# Altium PCB PCB4.PcbDoc
Units mm, origin at the board's own origin, x right, y up, seen from the top; angles counter-clockwise.
Board outline 118.86 x 69.33 mm, 2 copper layers (Top Layer, Bottom Layer); 68 components, 53 nets, 298 pads, 79 vias.
Unrouted connection lines stored in the file: 1.
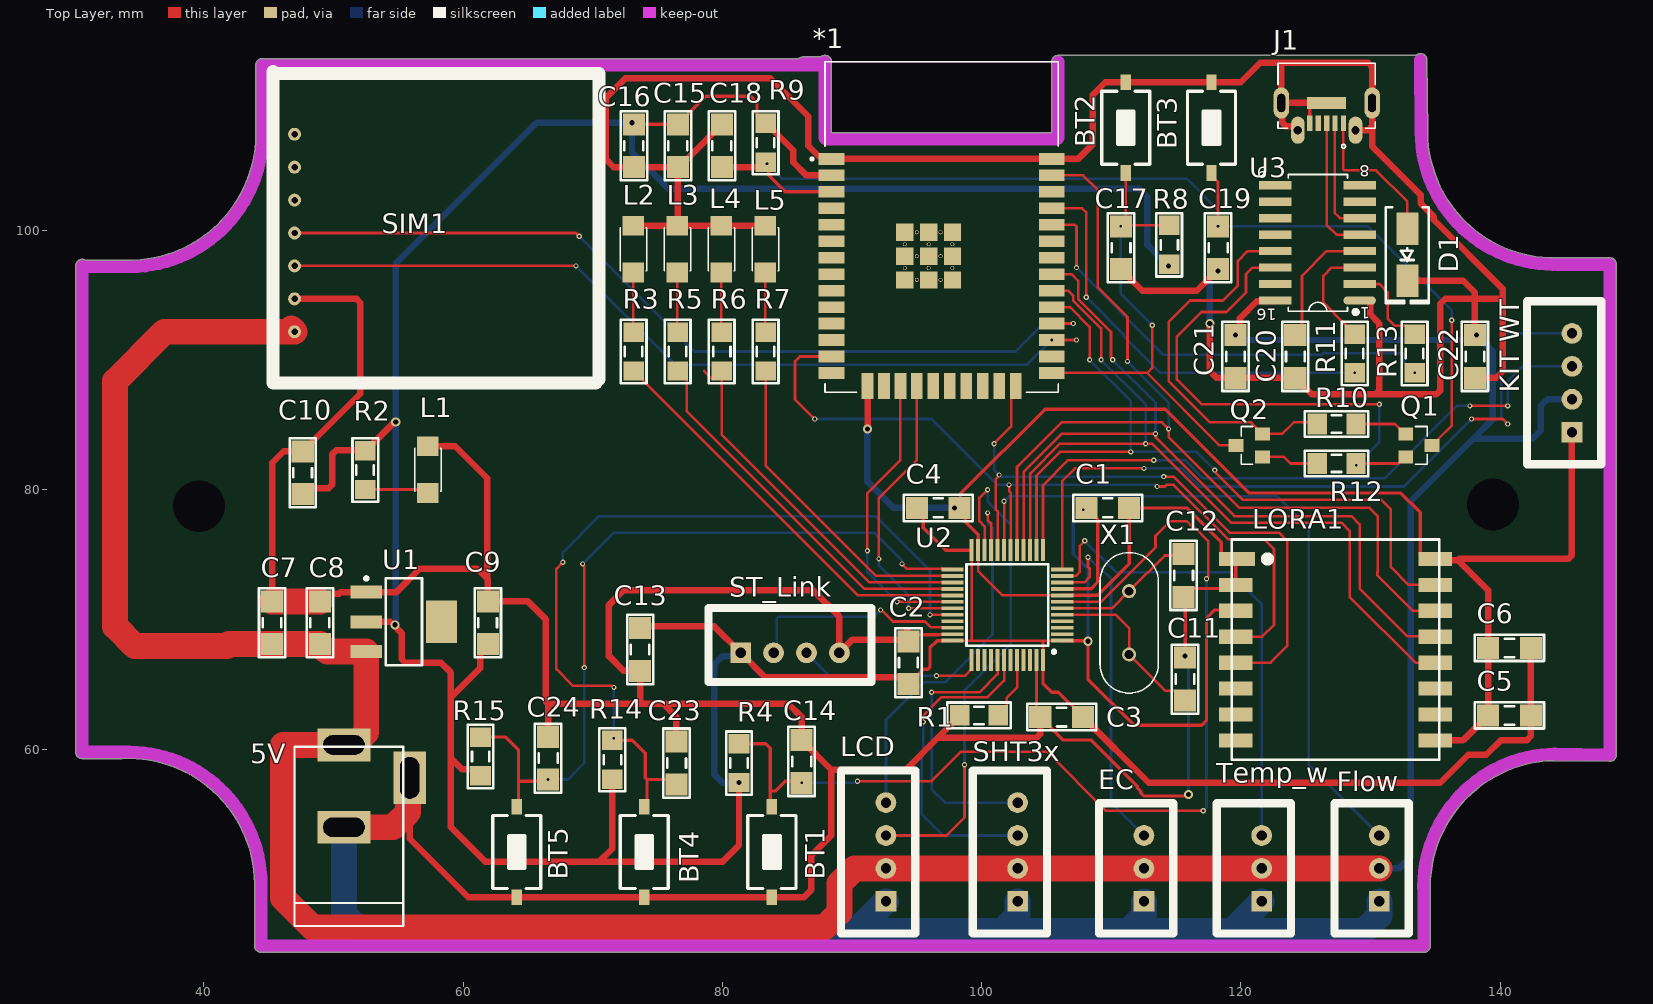
[diagram p0: Top Layer view]
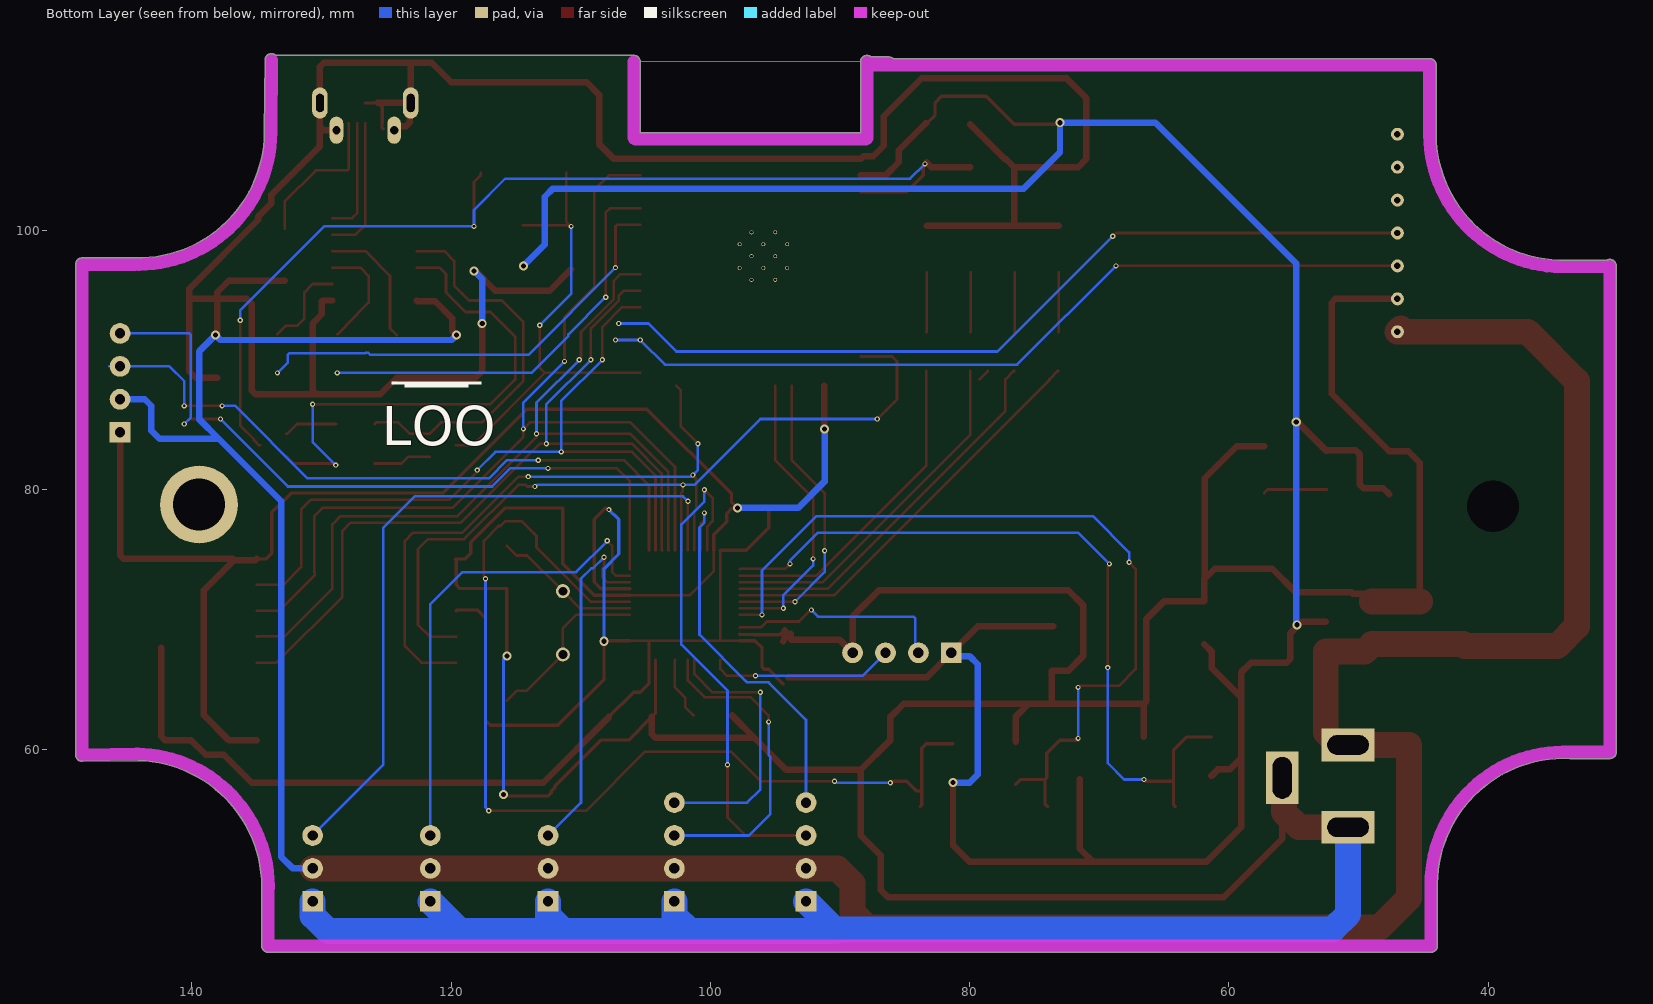
[diagram p1: Bottom Layer view, seen from below]
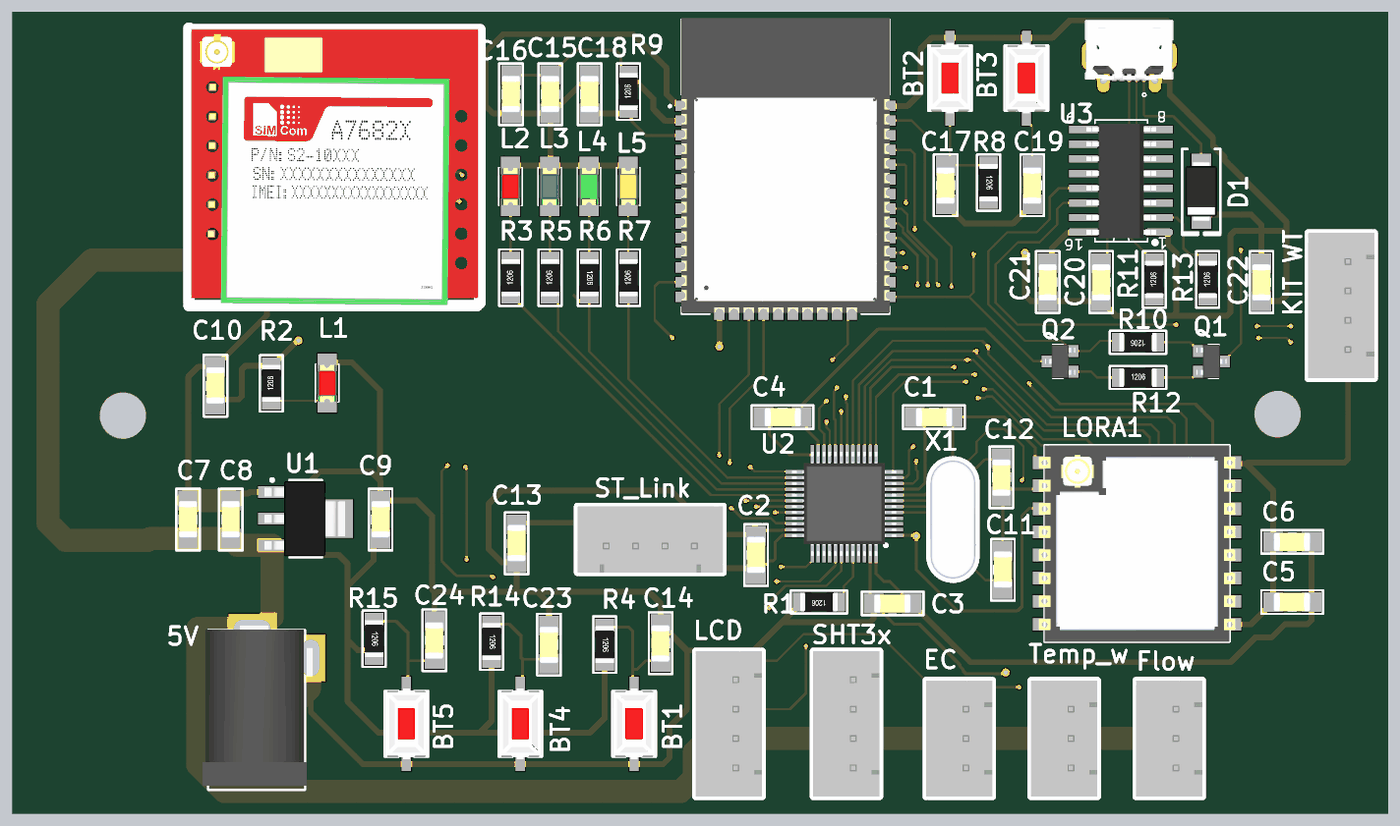
[diagram p2: 3D render of the assembled board from above, using the file's embedded part models]

## Layer stack, top to bottom
Top Solder: solder mask 0.0102, Solder Resist, Dk 3.5
Top Layer: signal copper 0.0356
Dielectric 1: dielectric 0.32, FR-4, Dk 4.8
Bottom Layer: signal copper 0.0356
Bottom Solder: solder mask 0.0102, Solder Resist, Dk 3.5

## Board outline
30.607,59.277 cw(c30.607,59.777) 30.114,59.861 cw(c30.607,59.944) 30.107,59.944 30.107,97.282 cw(c30.607,97.282) 30.832,97.729 34.544,97.729 cw(c34.544,97.228) 34.558,97.729 ccw(c34.239,107.493) 44.008,107.405 cw(c44.504,107.476) 44.003,107.476 44.003,107.818 ccw(c34.316,107.496) 43.999,107.926 cw(c44.499,107.948) 44.003,108.017 44.003,112.776 cw(c44.504,112.776) 44.504,113.276 85.9,113.276 cw(c86.233,112.903) 86.233,113.403 87.58,113.403 cw(c87.91,113.027) 88.41,113.027 88.41,107.561 105.41,107.561 105.41,113.027 cw(c105.91,113.027) 105.91,113.527 133.522,113.527 cw(c133.858,113.157) 134.358,113.161 134.406,107.675 cw(c133.877,107.673) 134.401,107.596 cw(c133.907,107.57) 134.401,107.574 ccw(c144.17,107.671) 144.336,97.903 cw(c144.399,97.406) 144.399,97.907 144.496,97.907 ccw(c144.17,107.676) 144.604,97.911 cw(c144.626,97.411) 144.694,97.907 148.463,97.907 cw(c148.463,97.406) 148.963,97.406 cw(c148.464,97.406) 148.96,97.344 cw(c148.463,97.282) 148.963,97.282 148.963,59.69 cw(c148.464,59.69) 148.959,59.627 cw(c148.463,59.563) 148.963,59.563 cw(c148.463,59.563) 148.457,59.063 144.139,59.116 cw(c144.145,59.616) 144.104,59.118 ccw(c144.374,49.352) 134.605,49.44 cw(c134.11,49.369) 134.61,49.37 134.61,49.021 ccw(c144.435,49.355) 134.614,48.919 cw(c134.113,48.897) 134.614,48.897 cw(c134.115,48.897) 134.61,48.831 134.612,44.831 cw(c134.112,44.831) 134.112,44.331 44.41,44.331 cw(c44.41,44.831) 43.91,44.831 43.91,49.513 cw(c44.41,49.513) 43.916,49.588 cw(c44.415,49.614) 43.915,49.609 ccw(c34.146,49.513) 33.713,59.273 cw(c33.691,59.773) 33.622,59.277

## Design rules (kind name [scope] priority, off if disabled: settings)
Clearance Clearance_power [InNetClass('power')] p1: gap=0.254 ignorepadtopadclearanceinfootprint=FALSE
Clearance Clearance_signal [All] p2: gap=0.127 ignorepadtopadclearanceinfootprint=FALSE
PolygonConnect [All] p1: connectstyle=Relief reliefconductorwidth=0.254 reliefentries=4 polygonreliefangle="90 Angle" airgapwidth=0.254
RoutingVias RoutingVias_power [InNetClass('power')] p1: holewidth=0.4 width=0.7 viastyle="Through Hole" minholewidth=0.4 minwidth=0.7 maxholewidth=0.6 maxwidth=1.1
RoutingVias RoutingVias_signal [All] p2: holewidth=0.2 width=0.4 viastyle="Through Hole" minholewidth=0.2 minwidth=0.4 maxholewidth=0.2 maxwidth=0.4
SolderMaskExpansion [All] p1: expansion=0.102 istentingtop=FALSE
Width Width_power [InNetClass('power')] p1: maxlimit=2 minlimit=0.254 preferedwidth=0.5
Width Width_signal [All] p2: maxlimit=0.2 minlimit=0.2 preferedwidth=0.2
30 further rules are at their usual default settings.

## Classes and differential pairs
net class power: +3.3 +5 GND

## Components (designator, comment, footprint, x,y, rotation, side; value= is the part's Value field where it differs from the comment)
5V "JACK DC 5.5" "JACK DC 5.5" 53.34,57.15 r90 top value="Jac DC"
*1 "ESP32 WROOM 32" ESP32-WROOM-32D 96.91,100.277 r0 top
BT1 "Nut Nhan 2 Chan SMD 3x6x2.5" "Nut Nhan 2 Chan SMD 3x6x2.5" 83.82,52.07 r90 top
BT2 "Nut Nhan 2 Chan SMD 3x6x2.5" "Nut Nhan 2 Chan SMD 3x6x2.5" 111.125,107.95 r270 top
BT3 "Nut Nhan 2 Chan SMD 3x6x2.5" "Nut Nhan 2 Chan SMD 3x6x2.5" 117.729,107.95 r270 top
BT4 "Nut Nhan 2 Chan SMD 3x6x2.5" "Nut Nhan 2 Chan SMD 3x6x2.5" 73.977,52.07 r90 top
BT5 "Nut Nhan 2 Chan SMD 3x6x2.5" "Nut Nhan 2 Chan SMD 3x6x2.5" 64.135,52.07 r90 top
C1 "104" "tu 1206" 109.728,78.613 r0 top
C2 "104" "tu 1206" 94.361,66.675 r90 top
C3 "104" "tu 1206" 106.172,62.484 r180 top
C4 "104" "tu 1206" 96.648,78.613 r0 top
C5 "104" "tu 1206" 140.716,62.611 r180 top
C6 "106" "tu 1206" 140.716,67.818 r180 top
C7 "106" "tu 1206" 45.263,69.748 r90 top
C8 "104" "tu 1206" 48.946,69.748 r90 top
C9 "106" "tu 1206" 61.9,69.748 r90 top
C10 "104" "tu 1206" 47.625,81.332 r90 top
C11 "104" "tu 1206" 115.697,65.405 r90 top
C12 "104" "tu 1206" 115.57,73.406 r270 top
C13 "104" "tu 1206" 73.66,67.691 r90 top
C14 "104" "tu 1206" 86.106,59.055 r270 top
C15 "106" "tu 1206" 76.572,106.553 r90 top
C16 "104" "tu 1206" 73.177,106.553 r90 top
C17 "104" "tu 1206" 110.744,98.679 r270 top
C18 "105" "tu 1206" 79.967,106.553 r90 top
C19 "104" "tu 1206" 118.237,98.679 r270 top
C20 "104" "tu 1206" 124.195,90.297 r270 top
C21 "106" "tu 1206" 119.577,90.297 r270 top
C22 "104" "tu 1206" 138.049,90.297 r270 top
C23 "104" "tu 1206" 76.454,58.928 r270 top
C24 "104" "tu 1206" 66.548,59.309 r270 top
D1 "1N4007" "DIODE SMA" 132.842,98.139 r270 top
EC "Header 3P" XH2.54M-3 112.522,48.26 r90 top
Flow "Header" XH2.54M-3 130.683,48.26 r90 top
J1 "UJ2-MIBH2-4-SMT" Micro 123.22,108.254 r0 top
"KIT WT" "Header 4P" XH2.54M-4 145.542,84.455 r90 top
L1 "LED 0805" LED-1206-Red 57.277,79.756 r90 top
L2 "LED 0805" LED-1206-Red 73.128,96.774 r90 top
L3 "LED 0805" LED-1206-Blue 76.523,96.774 r90 top
L4 "LED 0805" LED-1206-Green 79.917,96.774 r90 top
L5 "LED 0805" LED-1206-Yellow 83.312,96.774 r90 top
LCD "Header 4P" XH2.54M-4 92.617,48.26 r90 top
LORA1 "Ra-02" Sx1278 117.649,58.683 r0 top
Q1 "S8050" S8050 132.207,84.633 r270 top
Q2 "S8050" S8050 122.174,82.245 r90 top
R1 "10k" "tro smd 1206" 99.798,62.611 r180 top
R2 "220R" "tro smd 1206" 52.45,81.534 r90 top
R3 "390R" "Tro smd 1206" 73.152,90.678 r90 top
R4 "10k" "tro smd 1206" 81.28,58.928 r270 top
R5 "390R" "Tro smd 1206" 76.547,90.678 r90 top
R6 "390R" "Tro smd 1206" 79.941,90.678 r270 top
R7 "390R" "Tro smd 1206" 83.336,90.678 r90 top
R8 "1k" "tro smd 1206" 114.465,98.908 r270 top
R9 "10k" "tro smd 1206" 83.336,106.782 r90 top
R10 "10k" "tro smd 1206" 127.381,85.09 r180 top
R11 "470R" "tro smd 1206" 128.788,90.526 r90 top
R12 "10k" "tro smd 1206" 127.381,82.042 r0 top
R13 "470R" "tro smd 1206" 133.406,90.526 r90 top
R14 "10k" "tro smd 1206" 71.501,59.182 r270 top
R15 "10k" "tro smd 1206" 61.341,59.436 r270 top
SHT3x "Header 4P" XH2.54M-4 102.777,48.26 r90 top
SIM1 "SIMA7680C" SIMA7680C 46.99,107.442 r270 top
ST_Link "Header 4P" XH2.54M-4 81.407,67.437 r0 top
Temp_w "Header 3P" XH2.54M-3 121.602,48.26 r90 top
U1 "LM1117-3.3V" SOT223 55.423,69.823 r270 top
U2 "STM32F103C8T6" LQFP-48_19.6_393_58X11_SMD 101.981,71.12 r180 top
U3 "CH340C" SOIC16_50_284_25X90_SMT 125.909,99.035 r180 top
X1 "Crystal_8MHz" XTAL_8MHz 113.538,64.213 r90 top

## Footprints (in the part's own frame and the unit in brackets; to place one, negate y for a bottom-side part, rotate by r counter-clockwise, add the part's x,y. Pads: shape width x height; smd on the part's side, far side on the other; paste and mask are expansions set on the pad)
"DIODE SMA" [mm] "SMA"
  rect 2.5x1.7 smd: 1(-2,0) 2(2,0)
  silkscreen extent -3.68,-1.65 3.75,1.65, body extent -2.6,-1.37 2.6,1.37, height 2.4
ESP32-WROOM-32D [mm]
  rect 2x0.9 smd: 1(-8.5,5.26) 2(-8.5,3.99) 3(-8.5,2.72) 4(-8.5,1.45) 5(-8.5,0.18) 6(-8.5,-1.09) 7(-8.5,-2.36) 8(-8.5,-3.63) 9(-8.5,-4.9) 10(-8.5,-6.17) 11(-8.5,-7.44) 12(-8.5,-8.71) 13(-8.5,-9.98) 14(-8.5,-11.25) 25(8.5,-11.25) 26(8.5,-9.98) 27(8.5,-8.71) 28(8.5,-7.44) 29(8.5,-6.17) 30(8.5,-4.9) 31(8.5,-3.63) 32(8.5,-2.36) 33(8.5,-1.09) 34(8.5,0.18) 35(8.5,1.45) 36(8.5,2.72) 37(8.5,3.99) 38(8.5,5.26)
  rect 0.9x2 smd: 15(-5.715,-12.25) 16(-4.445,-12.25) 17(-3.175,-12.25) 18(-1.905,-12.25) 19(-0.635,-12.25) 20(0.635,-12.25) 21(1.905,-12.25) 22(3.175,-12.25) 23(4.445,-12.25) 24(5.715,-12.25)
  rect 1.33x1.33 smd: 39(-2.835,-4.075) 39(-2.835,-2.24) 39(-2.835,-0.405) 39(-1,-4.075) 39(-1,-2.24) 39(-1,-0.405) 39(0.835,-4.075) 39(0.835,-2.24) 39(0.835,-0.405)
  round 0.3 hole 0.2: 39(-2.835,-3.157) 39(-2.835,-1.322) 39(-1.917,-4.075) 39(-1.917,-2.24) 39(-1.917,-0.405) 39(-1,-3.157) 39(-1,-1.322) 39(-0.082,-4.075) 39(-0.082,-2.24) 39(-0.082,-0.405) 39(0.835,-3.157) 39(0.835,-1.322)
  Keep-Out Layer region: 9,6.45 -9,6.45 -9,12.75 9,12.75
  Keep-Out Layer region: 9,6.45 -9,6.45 -9,12.75 9,12.75
  silkscreen extent -10.1,-12.75 9,12.75, body extent -9,-12.62 9,12.88, height 3.2
"JACK DC 5.5" [mm] "Jac DC input"
  rect 2.54x4.064 hole 1.5 slot 3.2 at 90 deg: 1(3.175,2.54) 2(-3.175,2.54)
  rect 4.064x2.54 hole 1.5 slot 3.2 at 0 deg: 3(0.635,-2.54)
  silkscreen extent -10.79,-2.03 3.05,6.35, body extent -10.42,-2.67 3.4,6.84, height 11.02
LED-1206-Blue [mil] "Compoment SMD 120x60mil"
  rect 60x65 smd: 1(0,0) 2(142,0)
  silkscreen extent 6,-40 136,40, body extent 7,-31 133,32, height 43
LED-1206-Green [mil]
  rect 60x65 smd: 1(0,0) 2(142,0)
  silkscreen extent 6,-40 136,40, body extent 7,-31 133,32, height 43
LED-1206-Red [mil]
  rect 60x65 smd: 1(0,0) 2(142,0)
  silkscreen extent 6,-40 136,40, body extent 7,-31 133,32, height 43
LED-1206-Yellow [mil]
  rect 60x65 smd: 1(0,0) 2(142,0)
  silkscreen extent 6,-40 136,40, body extent 7,-31 133,32, height 43
LQFP-48_19.6_393_58X11_SMD [mm] "48LQFP"
  rect 1.7x0.3 smd mask+0.076: 1(-4.238,2.75) 2(-4.238,2.25) 3(-4.238,1.75) 4(-4.238,1.25) 5(-4.238,0.75) 6(-4.238,0.25) 7(-4.238,-0.25) 8(-4.238,-0.75) 9(-4.238,-1.25) 10(-4.238,-1.75) 11(-4.238,-2.25) 12(-4.238,-2.75) 25(4.238,-2.75) 26(4.238,-2.25) 27(4.238,-1.75) 28(4.238,-1.25) 29(4.238,-0.75) 30(4.238,-0.25) 31(4.238,0.25) 32(4.238,0.75) 33(4.238,1.25) 34(4.238,1.75) 35(4.238,2.25) 36(4.238,2.75)
  rect 0.3x1.7 smd mask+0.076: 13(-2.75,-4.238) 14(-2.25,-4.238) 15(-1.75,-4.238) 16(-1.25,-4.238) 17(-0.75,-4.238) 18(-0.25,-4.238) 19(0.25,-4.238) 20(0.75,-4.238) 21(1.25,-4.238) 22(1.75,-4.238) 23(2.25,-4.238) 24(2.75,-4.238) 37(2.75,4.238) 38(2.25,4.238) 39(1.75,4.238) 40(1.25,4.238) 41(0.75,4.238) 42(0.25,4.238) 43(-0.25,4.238) 44(-0.75,4.238) 45(-1.25,4.238) 46(-1.75,4.238) 47(-2.25,4.238) 48(-2.75,4.238)
  silkscreen extent -3.73,-3.15 3.15,3.72, body extent -4.5,-4.5 4.5,4.5, height 1.7
Micro [mm]
  rect 0.4x1.2 smd: 1(4.699,0.051) 2(4.049,0.051) 3(3.399,0.051) 4(2.749,0.051) 5(2.099,0.051)
  oval 1.2x2.4 hole 0.6 slot 1.4 at 90 deg: SH1(6.899,1.601) SH4(-0.101,1.601)
  oval 1.05x2.1 hole 0.65: SH2(5.624,-0.499) SH5(1.174,-0.499)
  rect 3x0.9 smd: SH3(3.399,1.601)
  silkscreen extent -0.35,-1.9 7.15,4.65, body extent -0.35,-0.64 7.15,4.65, height 2.81
"Nut Nhan 2 Chan SMD 3x6x2.5" [mm] "Switch SMD type"
  rect 1.2x0.8 smd: 1(-3.5,0) 2(3.5,0)
  silkscreen extent -2.82,-1.85 2.82,1.85, body extent -3.05,-1.85 3.05,1.85, height 2.5
S8050 [mil]
  rect 40x45 smd: 1(12,20) 2(82,20) 3(47,100)
  silkscreen extent -11,50 104,85, body extent -10,9 104,111, height 55
SIMA7680C [mm]
  round 1 hole 0.5 mask+0.1: 1(0,0) 2(2.54,0) 3(5.08,0) 4(7.62,0) 5(10.16,0) 6(12.7,0) 7(15.24,0)
  body extent -4.76,-1.48 19.14,23.34, height 14.95
SOIC16_50_284_25X90_SMT [mm]
  oval 2.5x0.635 smd mask+0.076: 1(-3.25,4.42)
  rect 2.5x0.635 smd mask+0.076: 2(-3.25,3.15) 3(-3.25,1.88) 4(-3.25,0.61) 5(-3.25,-0.66) 6(-3.25,-1.93) 7(-3.25,-3.2) 8(-3.25,-4.47) 9(3.25,-4.47) 10(3.25,-3.2) 11(3.25,-1.93) 12(3.25,-0.66) 13(3.25,0.61) 14(3.25,1.88) 15(3.25,3.15) 16(3.25,4.42)
  silkscreen extent -3.07,-5.3 2.26,5.44, body extent -3.02,-4.97 2.98,4.93, height 1.4
SOT223 [mm]
  rect 1x2.4 smd: 1(-2.3,-2.9) 2(0,-2.9) 3(2.3,-2.9)
  rect 3.3x2.4 smd: 4(0,2.9)
  silkscreen extent -3.47,-3.02 3.35,1.4, body extent -3.25,-3.56 3.25,3.4, height 1.68
Sx1278 [mm]
  rect 2.8x1.1 smd: 1(2.052,15.992)
  rect 2.6x1.1 smd: 2(1.952,13.992) 3(1.952,11.992) 4(1.952,9.992) 5(1.952,7.992) 6(1.952,5.992) 7(1.952,3.992) 8(1.952,1.992) 9(17.352,1.992) 10(17.352,3.992) 11(17.352,5.992) 12(17.352,7.992) 13(17.352,9.992) 14(17.352,11.992) 15(17.352,13.992) 16(17.352,15.992)
  silkscreen extent 1.65,0.49 17.65,17.49, body extent 1.15,0.49 18.15,17.49, height 3.3
"tro smd 1206" [mm]
  rect 1.5x1.6 smd: 1(-1.5,0) 2(1.5,0)
  silkscreen extent -2.44,-0.99 2.44,0.99, body extent -1.6,-0.8 1.6,0.8, height 0.6
"Tro smd 1206" [mm]
  rect 1.5x1.6 smd: 1(-1.5,0) 2(1.5,0)
  silkscreen extent -2.44,-0.99 2.44,0.99, body extent -1.6,-0.8 1.6,0.8, height 0.6
"tu 1206" [mm]
  rect 1.7x1.7 smd: 1(-1.65,0) 2(1.65,0)
  silkscreen extent -2.67,-1.02 2.67,1.02, body extent -1.57,-0.8 1.63,0.8, height 0.94
XH2.54M-3 [mm]
  rect 1.6x1.6 hole 0.8: 1(0,0)
  round 1.6 hole 0.8: 2(2.54,0) 3(5.08,0)
  silkscreen extent -2.48,-2.26 7.56,3.46, body extent -2.48,-2.26 7.56,3.48, height 6.91
XH2.54M-4 [mm]
  rect 1.6x1.6 hole 0.8: 1(0,0)
  round 1.6 hole 0.8: 2(2.54,0) 3(5.08,0) 4(7.62,0)
  silkscreen extent -2.48,-2.26 10.1,3.46, body extent -2.48,-2.26 10.1,3.48, height 6.91
XTAL_8MHz [mm]
  round 1.08 hole 0.68: 1(3.097,2.159) 2(7.977,2.159)
  silkscreen extent 0.11,-0.09 10.96,4.41, body extent 0.11,-0.09 10.96,4.41, height 3.68

## Part data
C1 C2 C3 C4 C5 C8 C10 C11 C12 C13 C14 C16 C17 C19 C20 C22 C23 C24: library part "Tu 1206 104 50V 20%", "Dán", Chung_Loai=Dán, Don_Vi=Con, Ma_Hang=MH004544, So_Chan=2, Ten_Linh_Kien="Tụ 1206 104-0.1uF 20% 50V"
C6 C7 C9 C15 C21: library part "Tu 1206 106 16V 20%", "Dán", Chung_Loai=Dán, Don_Vi=Con, Ma_Hang=MH004541, So_Chan=2, Ten_Linh_Kien="Tụ 1206 106-10uF 20% 16V"
C18: library part "Tu 1206 105 50V 20%", "Dán", Chung_Loai=Dán, Don_Vi=Con, Ma_Hang=MH004545, So_Chan=2, Ten_Linh_Kien="Tụ 1206 105-1uF 20% 50V"
D1: library part "Diode M7 ( 4007 )", "Dán", Chung_Loai=Dán, Don_Vi=Con, Ma_Hang=MH000944, Ten_Linh_Kien="Diode M7 1N4007 SMD 1A 1000V"
EC Flow Temp_w: library part "Header 3P 2.54 Duc Thang", "Cắm", Chung_Loai=Cắm, Don_Vi=Con, Ma_Hang=MH001292, Ten_Linh_Kien="Header 3P XH2.54-3P Đực Thẳng"
J1: "Micro B, USB 2.0, 1.8 A, Right Angle, Surface Mount (SMT), USB Receptacle"
"KIT WT" LCD SHT3x ST_Link: library part "Header 4P 2.54 Duc Thang", "Cắm", Chung_Loai=Cắm, Don_Vi=Con, Ma_Hang=MH001285, Ten_Linh_Kien="Header 4P XH2.54-4P Đực Thẳng"
L1 L2: library part "LED 1206 Do", "Dán", Chung_Loai=Dán, Don_Vi=Con, Ma_Hang=MH002334, Ten_Linh_Kien="LED1206 Màu Đỏ (Red)"
L3: library part "LED 1206 Xanh Duong", "Dán", Chung_Loai=Dán, Don_Vi=Con, Ma_Hang=MH002333, Ten_Linh_Kien="LED1206 Màu Xanh Dương (Blue)"
L4: library part "LED 1206 Xanh La", "Dán", Chung_Loai=Dán, Don_Vi=Con, Ma_Hang=MH002947, Ten_Linh_Kien="LED1206 Màu Xanh Lá (Green)"
L5: library part "LED 1206 Vang", "Dán", Chung_Loai=Dán, Don_Vi=Con, Ma_Hang=MH002331, Ten_Linh_Kien="LED1206 Màu Vàng (Yellow)"
LORA1: "Lora sx1278"
Q1 Q2: "Transistor NPN"
R1 R4 R9 R14 R15: library part "Tro 1206 1% 10k", "Dán", Chung_Loai=Dán, Don_Vi=Con, Ma_Hang=MH005885, So_Chan=2, Ten_Linh_Kien="Trở 1206 1% 10k"
R2: library part "Tro 1206 1% 220R", "Dán", Chung_Loai=Dán, Don_Vi=Con, Ma_Hang=MH005897, So_Chan=2, Ten_Linh_Kien="Trở 1206 1% 220R"
R3 R5 R6 R7: library part "Tro 1206 5% 390R", "Dán", Chung_Loai=Dán, Don_Vi=Con, Ma_Hang=MH005927, So_Chan=2, Ten_Linh_Kien="Trở 1206 5% 390R"
R8: library part "Tro 1206 5% 1k", "Dán", Chung_Loai=Dán, Don_Vi=Con, Ma_Hang=MH005904, So_Chan=2, Ten_Linh_Kien="Trở 1206 5% 1k"
R10 R12: library part "Tro 1206 5% 10k", "Dán", Chung_Loai=Dán, Don_Vi=Con, Ma_Hang=MH005909, So_Chan=2, Ten_Linh_Kien="Trở 1206 5% 10K"
R11 R13: library part "Tro 1206 1% 680R", "Dán", Chung_Loai=Dán, Don_Vi=Con, Ma_Hang=MH005901, So_Chan=2, Ten_Linh_Kien="Trở 1206 5% 680R"
U1: library part LM1117, "800mA Low-Dropout Linear Regulator", Creator="Nguyen Ba Bien", Website=http://group3i.net
U2: library part IC_STM32F103C8T6, "ARM® Cortex®-M3 STM32F1 Microcontroller IC 32-Bit 72MHz 64KB (64K x 8) FLASH 48-LQFP (7x7)", Alternate Part Number-1=NA, Case/Package=LQFP48, Manufacturer=STMicroelectronics, Manufacturer Part Number=STM32F103C8T6, Supplier Part Number-1=STM32F103C8T6, Supplier-1=LCSC
U3: "USB Bridge, USB to UART USB 2.0 UART Interface", Alternate Part Number-1=NA, Case/Package=SOIC16, Manufacturer=Olimex, Supplier Part Number-1=C84681, Manufacturer Part Number=CH340C, Supplier-1=LCSC
X1: "8MHz"
BT1 BT2 BT3 BT4 BT5: Ma_Hang=MH001036, Ten="Nút Nhấn 2 Chân 3x6x2.5MM SMD"

## Free pads (board coordinates)
  round 1 hole 4 mask+0.1: 53(39.624,78.74)
  round 0 / inner round 6 / far side round 6 hole 4 mask+0.1: 53(139.446,78.867)

## Via types
v1: diameter 0.4, hole 0.2, Top Layer to Bottom Layer, 65 vias
v2: diameter 0.7, hole 0.4, Top Layer to Bottom Layer, 14 vias

## Nets (pads, with @x,y where several pads share a name; then routed paths per layer and width w, separated by ;. In a path a pad name is that pad's centre, name@x,y a point inside that pad or via, vN(x,y) a via of type N, cw(c..) or ccw(c..) an arc to the next point about the centre after c; other vN are vias at no path point)
+3.3: *1.2 C1.1 C2.1 C3.1 C4.1 C5.1 C6.1 C9.1 C10.1 C13.2 C15.2 C16.2 LORA1.3 R2.2 R4.2 R8.2 R9.2 R14.2 R15.2 ST_Link.1 U1.2 U2.1 U2.9 U2.24 U2.36 U2.48 | length 356.2
  Top Layer w0.2: U2.36 99.314,68.37 ; U2.24 99.231,68.453 99.314,68.37 ; U2.48 104.731,68.253 104.848,68.37 ; U2.1 104.848,68.37 ; 99.314,68.37 104.848,68.37
  Top Layer w0.254: C16.2 C15.2 78.732,110.363 82.169,110.363 82.663,109.869 82.663,108.905 83.286,108.282 R9.2 ; C2.1 95.503,66.167 95.863,66.167 96.012,66.316 96.012,67.818 96.564,68.37 U2.36 ; C4.1@95.123,78.484 C4.1@95.252,78.613 ; C4.1@95.504,78.484 95.504,77.089 97.235,75.358 U2.24 ; U2.48 104.731,65.068 105.41,64.389 105.917,64.389 C3.1 ; U2.1 108.16,68.37 v2(108.204,68.326) 108.204,65.405 111.76,61.849 116.967,61.849 117.348,62.23 117.348,70.104 117.983,70.739 119.537,70.739 LORA1.3 ; U2.9 108.438,72.37 108.966,72.898 108.966,77.725 C1.1
  Top Layer w0.5: C10.1 48.08,80.137 49.618,80.137 49.911,80.43 49.911,82.765 50.204,83.058 52.426,83.058 R2.2 52.5,83.034 54.705,85.239 v2(54.8,85.239) ; U1.2 54.383,69.823 ; v2@54.673,69.532 55.245,68.961 55.245,66.968 55.538,66.675 58.293,66.675 59.055,65.913 59.055,64.008 ; R15.2 60.841,58.436 59.928,58.436 59.055,59.309 ; C9.1 61.3,67.498 61.3,66.253 59.055,64.008 ; R14.2 71.501,52.324 70.485,51.308 ; C13.2@73.533,69.469 79.375,69.469 ST_Link.1 83.312,65.532 C2.1@93.978,65.532 ; v2(81.28,57.428) 81.28,52.578 80.01,51.308 70.485,51.308 ; R9.2 83.386,108.282 85.471,106.196 85.471,105.283 86.487,104.267 *1.2 ; C3.1 112.902,57.404 135.382,57.404 137.541,59.563 138.938,59.563 140.081,60.706 142.073,60.706 142.366,60.999 C5.1 C6.1 ; v2(114.427,97.282) 114.465,97.32 R8.2 ; 59.055,59.309 59.055,53.975 61.722,51.308 70.485,51.308 ; 59.055,59.309 59.055,64.008
  Bottom Layer w0.254: v1(107.823,78.486) 107.061,77.724 107.061,75.057 108.204,73.914 v2(108.204,68.326)
  Bottom Layer w0.5: v2(54.737,69.596) 54.8,69.659 v2(54.8,85.239) 54.8,97.472 65.659,108.331 v2(73.025,108.331) 73.025,106.045 75.819,103.251 112.141,103.251 112.776,102.616 112.776,98.933 v2(114.427,97.282) ; v2(81.28,57.428) 79.986,57.428 79.375,58.039 79.375,66.548 80.01,67.183 81.153,67.183 ST_Link.1
+5: 5V.1 "KIT WT.2" C7.1 C8.1 C21.1 C22.1 D1.2 EC.2 Flow.2 LCD.2 SHT3x.2 SIM1.7 Temp_w.2 U1.3 U3.16 | length 257.3
  Top Layer w0.5: v2(119.577,91.947) 119.924,92.294 119.924,93.254 121.218,94.548 122.591,94.548 U3.16 ; D1.2 137.16,96.139 138.049,95.25 C22.1
  Top Layer w2: SIM1.7@46.736,92.456 SIM1.7 36.957,92.202 33.147,88.392 33.147,69.469 34.671,67.945 41.783,67.945 41.936,68.098 C7.1 C8.1 49.521,67.523 U1.3 52.523,61.286 51.562,60.325 5V.1 46.101,60.325 46.101,48.514 48.387,46.228 87.855,46.228 89.027,47.4 89.027,49.628 90.199,50.8 LCD.2 SHT3x.2 EC.2 Temp_w.2 Flow.2
  Bottom Layer w0.5: v2(119.577,91.947) 119.59,91.947 119.97,91.567 137.783,91.567 138.164,91.948 v2(138.176,91.948) 139.446,90.678 139.446,85.471 137.922,83.947 ; Flow.2 130.709,50.826 132.233,50.826 133.096,51.689 133.096,79.121 137.922,83.947 ; 145.542,86.995 143.637,86.995 143.129,86.487 143.129,84.582 142.494,83.947 137.922,83.947
BT1: BT5.2 C24.2 R15.1 U2.25 | length 59.7
  Top Layer w0.2: C24.2@66.42,57.531 v1(66.548,57.659) ; v1(69.215,74.295) 69.215,74.241 69.342,74.114 v1(69.342,66.294) ; v1(93.853,74.295) 94.234,73.914 97.699,73.914 U2.25
  Top Layer w0.254: R15.1 63.27,60.936 64.262,59.944 64.262,57.531 ; BT5.2 64.262,55.697 64.262,57.531 ; C24.2@66.42,57.531 64.262,57.531
  Bottom Layer w0.2: v1(66.548,57.659) 68.073,57.659 69.342,58.928 v1(69.342,66.294) ; v1(69.215,74.295) 71.628,76.708 91.694,76.708 93.853,74.549 v1(93.853,74.295)
BT2: BT4.2 C23.2 R14.1 U2.32 | length 64.1
  Top Layer w0.2: v1(67.691,74.422) 67.183,73.914 67.183,66.167 68.453,64.897 71.501,64.897 v1(71.628,64.77) ; v1(96.012,70.358) 96.139,70.358 96.151,70.37 U2.32
  Top Layer w0.254: R14.1@71.628,60.682 73.049,60.682 74.041,59.69 74.041,57.807 74.19,57.658 ; BT4.2 74.19,55.782 74.19,57.658 ; C23.2 76.074,57.658 74.19,57.658
  Bottom Layer w0.2: v1(67.691,74.422) 67.691,75.184 70.485,77.978 91.821,77.978 96.012,73.787 v1(96.012,70.358) ; v1(71.628,60.833) v1(71.628,64.77)
DIO0: *1.24 LORA1.5 U2.20 | length 50.6
  Top Layer w0.2: v1(100.965,83.566) 102.275,84.876 102.275,87.677 *1.24 ; U2.20 101.231,78.346 101.092,78.485 101.092,80.845 101.346,81.099 v1(101.346,81.153) ; v1(114.046,81.026) 114.808,81.026 119.126,76.708 122.936,76.708 123.571,76.073 123.571,67.945 122.301,66.675 LORA1.5
  Bottom Layer w0.2: v1(100.965,83.566) 100.965,81.534 101.473,81.026 v1(114.046,81.026)
  other v1: 101.346,81.153
EN: *1.3 BT3.2 C18.1 C19.1 Q1.3 R9.1 | length 83.3
  Top Layer w0.2: BT3.2 117.729,104.25 118.237,103.742 v1(118.237,100.329) ; Q1.3 134.81,83.439 135.219,83.847 135.219,83.911 136.271,84.963 v1(136.271,93.091)
  Top Layer w0.254: R9.1@83.566,105.051 83.566,104.267 84.836,102.997 *1.3
  Top Layer w0.5: C18.1 82.957,104.903 R9.1@83.325,105.27
  Bottom Layer w0.2: v1(83.439,105.156) 84.582,104.013 115.824,104.013 118.237,101.6 v1(118.237,100.329) 129.795,100.329 136.271,93.853 v1(136.271,93.091)
ESP_IO0: *1.25 BT2.2 C17.1 Q2.3 R8.1 | length 36.9
  Top Layer w0.2: *1.25 112.776,89.027 ; v1(110.744,100.329) C17.1@110.823,100.408 ; BT2.2 111.125,100.71 C17.1@110.823,100.408 ; v1(113.157,92.71) 113.157,89.408 112.776,89.027 ; R8.1 C17.1@110.823,100.408 ; Q2.3 118.364,83.439 112.776,89.027
  Bottom Layer w0.2: v1(110.744,100.329) 110.744,95.123 v1(113.157,92.71)
ESP_RX0: *1.34 R13.1 | length 35.1
  Top Layer w0.2: *1.34 107.188,100.457 107.315,100.33 v1(107.315,97.155) ; R13.1@133.356,89.026 v1(133.406,89.026)
  Bottom Layer w0.2: v1(107.315,97.155) 114.046,90.424 126.238,90.424 126.409,90.595 126.575,90.595 126.619,90.551 132.471,90.551 132.588,90.434 132.588,89.843 v1(133.406,89.026)
ESP_RX1: *1.17 U2.30 | length 22.9
  Top Layer w0.2: v1(91.186,75.311) 91.186,79.756 93.735,82.305 *1.17 ; v1(93.472,71.374) 96.266,71.374 96.27,71.37 U2.30
  Bottom Layer w0.2: v1(91.186,75.311) 91.186,73.66 v1(93.472,71.374)
ESP_RX2: *1.27 SIM1.5 | length 66
  Top Layer w0.2: SIM1.5 v1(68.707,97.282) ; v1(105.41,91.567) v1(107.315,91.567)
  Bottom Layer w0.2: v1(68.707,97.282) 76.327,89.662 103.505,89.662 105.346,91.504 v1(105.41,91.567) ; v1@105.537,91.567 v1(107.315,91.567)
ESP_TX0: *1.35 R11.1 | length 32.5
  Top Layer w0.2: *1.35 107.75,101.727 108.077,101.4 v1(108.077,94.869)
  Bottom Layer w0.2: v1(108.077,94.869) 110.954,91.992 110.954,91.865 113.792,89.027 v1(128.778,89.027)
ESP_TX1: *1.18 U2.31 | length 22.7
  Top Layer w0.2: v1(92.075,74.676) 92.075,79.375 95.005,82.305 *1.18 ; v1(94.361,70.866) 94.488,70.866 94.492,70.87 U2.31
  Bottom Layer w0.2: v1(92.075,74.676) 92.075,74.168 94.361,71.882 v1(94.361,70.866)
ESP_TX2: *1.28 SIM1.4 | length 66.4
  Top Layer w0.2: SIM1.4 68.707,99.822 v1(68.961,99.568) ; *1.28 v1(107.061,92.837)
  Bottom Layer w0.2: v1(68.961,99.568) 77.851,90.678 102.616,90.678 104.775,92.837 v1(107.061,92.837)
GND: 5V.2 5V.3 "KIT WT.1" *1.1 *1.15 *1.38 BT1.1 BT2.1 BT3.1 BT4.1 BT5.1 C1.2 C2.2 C3.2 C4.2 C5.2 C6.2 C7.2 C8.2 C9.2 C10.2 C11.2 C12.2 C13.1 C14.1 C15.1 C16.1 C17.2 C18.2 C19.2 C20.2 C21.2 C22.2 C23.1 C24.1 EC.1 Flow.1 J1.5 J1.SH1 J1.SH2 J1.SH3 J1.SH4 J1.SH5 L1.2 L2.2 L3.2 L4.2 L5.2 LCD.1 LORA1.1 LORA1.2 LORA1.9 LORA1.16 R1.2 SHT3x.1 SIM1.6 ST_Link.4 Temp_w.1 U1.1 U2.8 U2.23 U2.35 U2.47 U3.1 | length 699.6
  Top Layer w0.2: U2.23 99.731,73.751 101.612,71.87 U2.8
  Top Layer w0.254: 94.277,69.189 94.42,69.047 94.633,68.834 96.647,68.834 96.66,68.847 97.72,68.847 U2.35 ; U2.23 99.731,76.545 98.745,77.531 98.745,78.166 C4.2 v2(97.917,78.613) 98.364,79.06 98.364,79.695 104.902,86.233 114.173,86.233 120.65,79.756 132.334,79.756 133.828,78.262 133.828,75.098 134.251,74.675 LORA1.16 ; U2.47 104.231,62.775 C3.2 106.3,60.706 108.458,60.706 112.014,57.15 112.014,57.023 112.268,56.769 112.268,56.642 112.522,56.388 115.824,56.388 v2(115.951,56.515) ; U2.8 108.954,71.87 111.378,74.294 C1.2 115.824,78.613 118.487,75.95 118.487,75.098 118.91,74.675 LORA1.1 119.601,74.575 LORA1.2 119.317,72.391 115.697,72.391 v2(115.697,67.183) ; J1.5@125.246,107.852 125.338,107.944 125.338,108.305 J1.5@125.338,108.432 ; J1.5 125.319,108.432 125.319,109.532 125.642,109.855 J1.SH3
  Top Layer w0.5: C7.2 45.263,82.093 46.152,82.982 C10.2 52.07,87.427 52.07,94.449 51.777,94.742 SIM1.6 ; C8.2 49.546,71.998 50.448,71.998 50.573,72.123 U1.1 54.851,72.123 56.642,73.914 61.087,73.914 61.849,73.152 ; 5V.3 55.88,53.086 60.396,48.57 BT5.1 BT4.1 BT1.1 86.289,48.57 86.868,49.149 86.868,51.816 88.392,53.34 88.392,58.419 ; L1.2 59.385,83.363 61.849,80.899 61.849,73.152 ; C24.1 66.548,63.5 ; L2.2 L3.2 ; C23.1 76.454,62.484 75.438,63.5 ; C18.2 77.267,105.503 77.172,105.503 C15.1 ; L5.2 L4.2 L3.2 ; v2(91.186,84.709) 91.195,84.718 *1.15 ; C2.2@93.789,68.896 93.789,68.482 93.761,68.453 90.043,68.453 ST_Link.4 89.027,70.231 86.995,72.263 72.39,72.263 71.247,71.12 71.247,67.183 72.39,66.04 C13.1 C13.1 73.66,63.5 ; 94.277,69.189 94.22,69.092 94.22,68.957 94.22,68.925 94.246,68.771 C2.2 ; R1.2 98.298,62.561 96.608,60.871 ; C3.2 104.522,61.164 104.229,60.871 96.608,60.871 ; C17.2 112.396,95.377 116.585,95.377 C19.2@118.173,96.965 ; v2(117.602,92.837) 117.602,89.156 118.111,88.647 C21.2 C20.2 125.466,87.376 130.39,87.376 ; J1.SH5 124.394,107.797 124.14,108.051 123.474,108.051 123.181,108.344 123.181,109.793 J1.SH4 ; J1.SH3@125.642,109.855 J1.SH4 ; J1.SH2 129.826,107.755 130.119,108.048 ; U3.1 129.91,94.615 129.972,94.553 129.972,93.548 130.683,92.837 130.683,87.669 130.39,87.376 ; LORA1.9 137.13,60.675 C5.2 C6.2 139.066,72.262 ; LORA1.16 135.106,74.57 136.758,74.57 ; C22.2 C22.2 139.7,88.646 140.208,89.154 140.208,94.742 ; 139.067,72.263 139.066,72.262 ; 145.542,84.455 145.542,74.969 145.249,74.676 136.864,74.676 136.758,74.57 ; 61.849,73.152 61.9,73.101 C9.2 65,71.398 66.358,70.04 66.358,63.69 66.548,63.5 ; 66.548,63.5 73.66,63.5 ; 73.66,63.5 75.438,63.5 ; 75.438,63.5 85.09,63.5 86.106,62.484 C14.1 88.392,58.419 ; L3.2 76.572,100.43 C15.1 ; C15.1 C16.1 71.627,104.903 70.993,105.537 70.993,110.236 72.517,111.76 83.693,111.76 86.614,108.839 86.614,106.553 87.43,105.737 88.21,105.737 *1.1 *1.38 107.442,105.537 108.585,106.68 108.585,110.49 109.545,111.45 BT2.1 BT3.1 120,111.45 121.498,112.948 123.1,112.948 ; 88.392,58.419 94.156,58.419 96.608,60.871 ; 123.1,112.948 123.1,109.874 J1.SH4 ; 123.1,112.948 129.826,112.948 130.119,112.655 J1.SH1 130.119,108.048 ; 130.119,108.048 130.119,106.52 133.858,102.781 133.858,102.108 134.874,101.092 134.874,100.838 140.208,95.504 140.208,94.742 ; 130.39,87.376 135.089,87.376 135.382,87.669 135.382,94.361 135.763,94.742 140.208,94.742 ; 136.758,74.57 139.066,72.262
  Top Layer w2: C7.2 C8.2 ; 5V.2 54.581,53.975 55.753,55.147 55.753,57.658 5V.3
  Bottom Layer w0.254: v2(115.697,67.183) 115.951,66.929 v2(115.951,56.515)
  Bottom Layer w0.5: v2(91.186,84.709) 91.186,80.645 93.218,78.613 v2(97.917,78.613) ; v2(117.602,92.837) 117.602,96.266 v2(118.237,96.901)
  Bottom Layer w2: 5V.2 50.8,47.273 51.972,46.101 90.458,46.101 ; LCD.1 90.458,46.101 ; SHT3x.1 102.777,47.146 101.606,45.974 ; EC.1 112.522,47.146 111.35,45.974 ; Temp_w.1 119.316,45.974 ; Flow.1 130.683,47.146 129.511,45.974 119.316,45.974 ; 90.458,46.101 90.331,45.974 101.606,45.974 ; 101.606,45.974 111.35,45.974 ; 111.35,45.974 119.316,45.974
Led1: R3.1 U2.29 | length 31.8
  Top Layer w0.2: R3.1 73.202,89.178 73.852,88.528 73.852,88.478 90.46,71.87 U2.29
Led2: R5.1 U2.28 | length 29.6
  Top Layer w0.2: R5.1 76.597,89.178 77.247,88.528 77.247,86.075 90.952,72.37 U2.28
Led3: R6.2 U2.27 | length 28.3
  Top Layer w0.2: 78.594,89.178 R6.2@79.243,88.53 ; R6.2 79.941,84.27 91.341,72.87 U2.27
Led4: R7.1 U2.26 | length 25.2
  Top Layer w0.2: R7.1 83.336,81.891 91.857,73.37 U2.26
MISO: *1.31 LORA1.13 U2.16 | length 65.1
  Top Layer w0.2: U2.16 103.251,75.378 103.251,81.407 106.172,84.328 v1(113.411,84.328) 113.438,84.301 113.438,84.047 119.507,77.978 128.524,77.978 129.159,77.343 129.159,72.39 132.842,68.707 135.001,68.707 LORA1.13 ; *1.31 106.934,96.647 107.442,96.139 107.442,94.742 109.982,92.202 109.982,90.17 v1(110.109,90.043)
  Bottom Layer w0.2: v1(110.109,90.043) 113.411,86.741 v1(113.411,84.328)
MOSI: *1.37 LORA1.14 U2.17 | length 73.9
  Top Layer w0.2: U2.17 102.731,81.776 106.172,85.217 113.919,85.217 v1(114.427,84.709) 114.427,84.074 119.888,78.613 129.921,78.613 130.556,77.978 130.556,73.66 130.512,73.616 130.512,73.45 133.287,70.675 LORA1.14 ; *1.37 107.823,104.267 108.966,103.124 108.966,95.631 111.252,93.345 v1(111.252,89.916)
  Bottom Layer w0.2: v1(111.252,89.916) 114.427,86.741 v1(114.427,84.709)
NetC11_1: C11.1 U2.5 X1.1 | length 13.4
  Top Layer w0.2: U2.5 110.351,70.37 111.379,69.342 X1.1 114.184,64.505 114.947,64.505 C11.1
NetC12_1: C12.1 U2.6 X1.2 | length 11.5
  Top Layer w0.2: U2.6 106.223,70.866 110.055,70.866 X1.2 114.13,74.941 114.947,74.941 C12.1@115.697,75.691
NetC20_1: C20.1 U3.4 | length 10
  Top Layer w0.2: C20.1 124.714,92.466 124.714,96.52 126.619,98.425 U3.4
NetD1_1: D1.1 J1.1 | length 11.6
  Top Layer w0.2: J1.1 127.889,108.275 127.889,104.765 128.006,104.648 130.429,104.648 132.842,102.235 D1.1
NetJ1_2: J1.2 U3.6 | length 9
  Top Layer w0.2: J1.2@127.254,108.305 127.254,101.346 127.635,100.965 U3.6
NetJ1_3: J1.3 U3.5 | length 10.7
  Top Layer w0.2: J1.3 126.619,100.457 127.381,99.695 U3.5
NetL1_1: L1.1 R2.1 | length 4.9
  Top Layer w0.2: R2.1 56.999,80.034 L1.1
NetL2_1: L2.1 R3.2 | length 4.6
  Top Layer w0.2: L2.1 73.128,92.202 R3.2
NetL3_1: L3.1 R5.2 | length 4.6
  Top Layer w0.2: L3.1 76.523,92.202 R5.2
NetL4_1: L4.1 R6.1 | length 4.6
  Top Layer w0.2: L4.1 79.917,92.202 R6.1
NetL5_1: L5.1 R7.2 | length 4.6
  Top Layer w0.2: L5.1 83.312,92.202 R7.2
NetQ1_1: Q1.1 R10.1 | length 4.1
  Top Layer w0.2: R10.1 131.889,85.09 132.651,84.328 Q1.1
NetQ1_2: Q1.2 R12.2 U3.14 | length 39.8
  Top Layer w0.2: U3.14 120.904,97.155 120.396,96.647 120.396,95.25 118.872,93.726 116.967,93.726 115.062,91.821 115.062,88.519 116.967,86.614 v1(130.683,86.614) ; R12.2@128.905,82.042 132.143,82.042 132.651,82.55 Q1.2
  Bottom Layer w0.2: v1(128.905,81.915) 130.683,83.693 v1(130.683,86.614)
NetQ2_1: Q2.1 R12.1 | length 4.4
  Top Layer w0.2: Q2.1 123.317,82.55 123.825,82.042 R12.1
NetQ2_2: Q2.2 R10.2 U3.13 | length 29.7
  Top Layer w0.2: U3.13 120.523,98.425 119.761,97.663 119.761,95.758 118.618,94.615 116.078,94.615 114.427,92.964 114.427,88.392 117.602,85.217 120.777,85.217 Q2.2 123.19,84.328 124.079,85.217 125.754,85.217 R10.2
NetR1_1: R1.1 U2.44 | length 4.9
  Top Layer w0.2: R1.1 101.948,63.261 101.948,63.975 102.743,64.77 102.743,66.87 U2.44
NetR11_2: R11.2 U3.3 | length 8.6
  Top Layer w0.2: R11.2 128.738,92.026 128.088,92.676 128.088,92.726 126.365,94.448 126.365,96.52 127,97.155 U3.3
NetR13_2: R13.2 U3.2 | length 7
  Top Layer w0.2: U3.2 130.683,95.885 131.318,95.25 131.318,93.218 131.86,92.676 132.756,92.676 R13.2
NSS: *1.29 LORA1.15 U2.14 | length 58.7
  Top Layer w0.2: U2.14 104.231,81.117 106.045,82.931 v1(111.506,82.931) ; *1.29 106.807,94.107 108.331,92.583 v1(108.331,90.043) ; v1(117.983,81.534) 117.983,81.48 118.073,81.39 118.073,81.317 120.142,79.248 130.81,79.248 131.572,78.486 131.572,74.041 132.938,72.675 LORA1.15
  Bottom Layer w0.2: v1(108.331,90.043) 111.506,86.868 v1(111.506,82.931) 116.586,82.931 v1(117.983,81.534)
PA0: EC.3 U2.10 | length 27.2
  Top Layer w0.2: U2.10 107.922,72.87 108.331,73.279 108.331,73.95 108.204,74.077 v1(108.204,74.803)
  Bottom Layer w0.2: v1(108.204,74.803) 109.049,73.958 109.176,73.958 109.982,73.152 109.982,55.88 EC.3
PA1: Temp_w.3 U2.11 | length 37.6
  Top Layer w0.2: U2.11 107.279,73.37 107.569,73.66 107.569,75.692 v1(107.95,76.073)
  Bottom Layer w0.2: v1(107.95,76.073) 110.363,73.66 119.126,73.66 121.602,71.183 Temp_w.3
PB1: Flow.3 U2.19 | length 54.4
  Top Layer w0.2: v1(101.727,79.121) 101.731,79.117 U2.19
  Bottom Layer w0.2: v1(101.727,79.121) 102.108,79.502 122.809,79.502 125.222,77.089 125.222,58.801 Flow.3
RST: BT1.2 C14.2 R4.1 U2.7 | length 79.8
  Top Layer w0.2: v1(90.424,57.531) 96.139,57.531 98.425,59.817 105.029,59.817 109.601,55.245 v1(117.094,55.245) ; U2.7 109.216,71.37 113.411,75.565 113.411,76.454 114.554,77.597 115.824,77.597 116.205,77.216 116.332,77.216 117.475,76.073 117.475,73.269 117.358,73.152 v1(117.348,73.152)
  Top Layer w0.254: R4.1 83.336,60.428 83.693,60.071 83.693,56.769 ; BT1.2 83.693,55.697 83.693,56.769 ; v1(86.106,57.405) 85.98,57.531 84.836,57.531 84.074,56.769 83.693,56.769
  Bottom Layer w0.2: v1(86.106,57.405) 90.298,57.405 v1(90.424,57.531) ; v1(117.094,55.245) 117.348,55.499 v1(117.348,73.152)
RST_Lora: *1.13 LORA1.4 U2.18 | length 62
  Top Layer w0.2: v1(87.122,85.471) 85.598,86.995 85.598,89.916 85.979,90.297 *1.13 ; v1(102.108,80.391) 102.131,80.368 102.131,79.891 102.231,79.791 U2.18 ; v1(113.538,80.264) 114.137,80.264 114.264,80.391 114.808,80.391 118.999,76.2 121.793,76.2 122.555,75.438 122.555,69.596 121.634,68.675 LORA1.4
  Bottom Layer w0.2: v1(87.122,85.471) 96.139,85.471 101.219,80.391 v1(102.108,80.391) 113.357,80.391 113.484,80.264 v1(113.538,80.264)
RX2: "KIT WT.3" U2.13 | length 52.7
  Top Layer w0.2: U2.13 104.731,80.347 106.68,82.296 v1(113.284,82.296) ; v1(137.668,86.487) v1(140.589,86.487)
  Bottom Layer w0.2: v1(113.284,82.296) 115.697,82.296 117.094,80.899 131.064,80.899 136.652,86.487 v1(137.668,86.487) ; v1(140.589,86.487) 140.589,88.392 141.732,89.535 146.363,89.535
SCK: *1.30 LORA1.12 U2.15 | length 63.6
  Top Layer w0.2: U2.15 103.759,75.386 103.759,81.28 106.045,83.566 113.157,83.566 119.253,77.47 127.762,77.47 128.397,76.835 128.397,71.755 133.477,66.675 LORA1.12 ; *1.30 106.68,95.377 107.061,94.996 107.061,94.615 109.22,92.456 v1(109.22,90.043)
  Bottom Layer w0.2: v1(109.22,90.043) 112.649,86.614 v1(112.649,83.566)
SCL1: SHT3x.4 U2.41 | length 21.3
  Top Layer w0.2: v1(96.139,64.389) 99.822,64.389 101.231,65.798 U2.41
  Bottom Layer w0.2: v1(96.139,64.389) 96.139,56.896 97.155,55.88 SHT3x.4
SCL2: LCD.4 U2.21 | length 29.9
  Top Layer w0.2: v1(100.457,78.232) 100.457,77.693 100.731,77.419 U2.21
  Bottom Layer w0.2: LCD.4 92.617,62.264 95.504,65.151 97.165,65.151 97.282,65.268 97.282,65.278 100.838,68.834 100.838,77.099 100.457,77.48 v1(100.457,78.232)
SDA1: SHT3x.3 U2.42 | length 24.7
  Top Layer w0.2: v1(95.504,62.103) 95.504,62.611 96.901,64.008 100.457,64.008 101.731,65.282 U2.42
  Bottom Layer w0.2: v1(95.504,62.103) 95.504,59.536 95.377,59.409 95.377,54.991 97.028,53.34 SHT3x.3
SDA2: LCD.3 U2.22 | length 39.2
  Top Layer w0.2: LCD.3 97.282,53.34 98.679,54.737 v1(98.679,58.801) ; U2.22 100.231,77.188 99.822,77.597 99.822,79.375 v1(100.457,80.01)
  Bottom Layer w0.2: v1(98.679,58.801) 98.679,64.516 102.235,68.072 102.235,77.342 100.457,79.12 v1(100.457,80.01)
SWCLK: ST_Link.3 U2.37 | length 14.4
  Top Layer w0.2: v1(96.52,65.659) 98.708,65.659 99.231,66.182 U2.37
  Bottom Layer w0.2: ST_Link.3 88.265,65.659 v1(96.52,65.659)
SWDIO: ST_Link.2 U2.34 | length 17.2
  Top Layer w0.2: v1(92.202,70.739) 92.256,70.739 93.145,69.85 95.631,69.85 96.061,69.42 97.693,69.42 U2.34
  Bottom Layer w0.2: ST_Link.2 84.201,67.691 84.201,70.114 84.318,70.231 91.694,70.231 v1(92.202,70.739)
TX2: "KIT WT.4" U2.12 | length 57.5
  Top Layer w0.2: U2.12 106.219,80.692 107.188,81.661 v1(112.522,81.661) ; v1(137.795,85.471) 140.208,85.471 v1(140.589,85.09)
  Bottom Layer w0.2: v1(112.522,81.661) 115.443,81.661 116.84,80.264 132.588,80.264 v1(137.795,85.471) ; v1(140.589,85.09) 140.081,85.598 140.081,91.958 140.198,92.075 145.998,92.075
pads on no net: *1.4 *1.5 *1.6 *1.7 *1.8 *1.9 *1.10 *1.11 *1.12 *1.14 *1.16 *1.19 *1.20 *1.21 *1.22 *1.23 *1.26 *1.32 *1.33 *1.36 *1.39 J1.4 LORA1.6 LORA1.7 LORA1.8 LORA1.10 LORA1.11 SIM1.1 SIM1.2 SIM1.3 U1.4 U2.2 U2.3 U2.4 U2.33 U2.38 U2.39 U2.40 U2.43 U2.45 U2.46 U3.7 U3.8 U3.9 U3.10 U3.11 U3.12 U3.15

## Keep-outs
Keep-Out Layer:
  lines w1: 30.607,59.777 33.782,59.777 ; 30.607,59.944 30.607,97.282 ; 30.607,97.228 34.544,97.228 ; 33.691,59.773 cw(c34.146,49.513) 44.415,49.614 ; 34.34,97.224 ccw(c34.239,107.493) 44.499,107.948 ; 44.41,49.513 44.41,44.831 134.112,44.831 134.109,49.369 ; 44.504,107.476 44.504,112.776 87.783,112.776 ; 86.233,112.903 87.91,112.903 ; 87.91,113.027 87.91,107.162 88.011,107.061 105.791,107.061 105.91,107.18 105.91,113.027 ; 133.858,113.157 133.906,107.671 ; 133.901,107.569 ccw(c144.17,107.671) 144.626,97.411 ; 134.114,48.897 cw(c144.374,49.352) 144.272,59.621 ; 144.145,59.617 148.463,59.563 ; 144.399,97.406 148.463,97.406 ; 148.463,59.69 148.463,97.282

## Silkscreen, mask and mechanical layers (free items; w line width, h text height)
Top Overlay:
  lines w1: 45.339,88.265 70.231,88.265 70.485,88.519 70.485,112.141 45.466,112.141 45.339,112.268 45.339,88.265
Bottom Overlay:
  region: 124.587,88.138 123.571,88.138 123.571,87.935 118.694,87.935 118.694,88.138 117.678,88.138 117.678,88.341 124.587,88.341
  text "LOO" at 125.349,83.439 h3

## Text inside footprints (layer, text, board x,y; h text height)
*1: Mechanical 13 "ANTENNA" at 90.91,109.277 h1.78
U3: Top Overlay "16" at 122.759,93.98 h0.89 r180; Top Overlay "9" at 122.031,104.944 h0.89 r180; Top Overlay "8" at 129.925,105.067 h0.89 r180; Top Overlay "1" at 129.998,94.107 h0.89 r180